# Altium PCB ipg_wearable.PcbDoc (part 1 of 2) (continued)
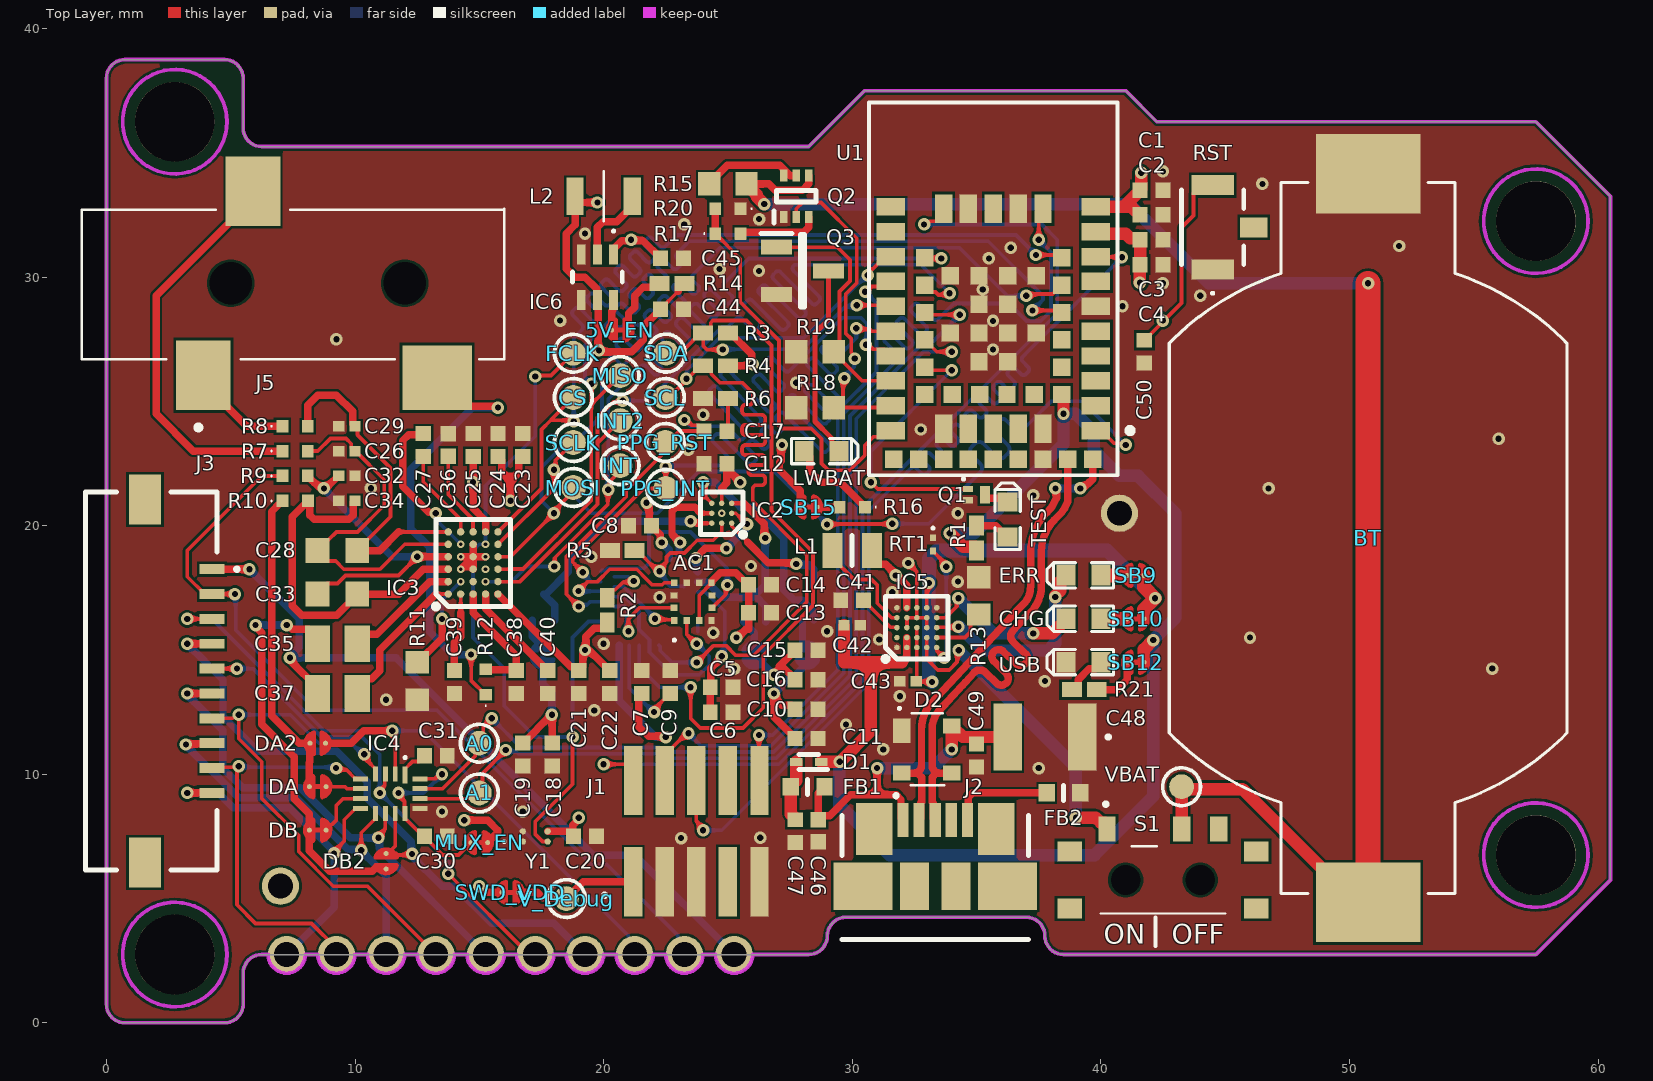
[diagram p0: Top Layer view]
## Footprints (in the part's own frame and the unit in brackets; to place one, negate y for a bottom-side part, rotate by r counter-clockwise, add the part's x,y. Pads: shape width x height; smd on the part's side, far side on the other; paste and mask are expansions set on the pad)
47346-0001 [mm]
  rect 0.45x1.38 smd: 1(1.3,-4.81) 2(0.65,-4.81) 3(0,-4.81) 4(-0.65,-4.81) 5(-1.3,-4.81)
  rect 1.475x2.1 smd: 6(-2.452,-4.45) 7(2.452,-4.45)
  rect 1.175x1.9 smd: 8(0.837,-2.15) 9(-0.837,-2.15)
  rect 2.375x1.9 smd: 10(2.913,-2.15) 11(-2.913,-2.15)
  silkscreen extent -3.75,-5.84 3.75,0, body extent -3.99,-5.38 3.99,0.05, height 2.7
2005280100 [mm]
  rect 0.4x1 smd: 1(-4.5,2.45) 2(-3.5,2.45) 3(-2.5,2.45) 4(-1.5,2.45) 5(-0.5,2.45) 6(0.5,2.45) 7(1.5,2.45) 8(2.5,2.45) 9(3.5,2.45) 10(4.5,2.45)
  rect 2x1.3 smd: MP1(-7.3,-0.25) MP2(7.3,-0.25)
  silkscreen extent -7.6,-2.65 7.6,3.5, body extent -8,-2.5 8,2.8, height 1.9
450404015514 [mm]
  rect 0.7x1 smd: 1(2.25,-2.05) 2(-0.75,-2.05) 3(-2.25,-2.05)
  round 0.6 hole 1.2 unplated: MH1(1.5,0) MH2(-1.5,0)
  rect 1x0.8 smd: MP1(3.75,-1.15) MP2(-3.75,-1.15) MP3(-3.75,1.15) MP4(3.75,1.15)
  silkscreen extent -2.5,-3.1 2.5,1.35, body extent -3.85,-2.25 3.85,2.88, height 1.4
BAT_BU2032SM-G [mm]
  rect 3.2x4.2 smd: NEG(14.65,0) POS(-14.65,0)
  silkscreen extent -14.3,-8 14.3,8, body extent -15.8,-8 15.8,8, height 5.2
BGA9C40P3X3_124X124X69 [mm]
  round 0.216 smd: A1(-0.4,0.4) A2(0,0.4) A3(0.4,0.4) B1(-0.4,0) B2(0,0) B3(0.4,0) C1(-0.4,-0.4) C2(0,-0.4) C3(0.4,-0.4)
  silkscreen extent -0.96,-0.86 0.86,0.96, body extent -0.62,-0.62 0.62,0.62, height 0.69
BGA25C40P5X5_208X208X52 [mm]
  round 0.221 smd: A1(-0.8,0.8) A2(-0.4,0.8) A3(0,0.8) A4(0.4,0.8) A5(0.8,0.8) B1(-0.8,0.4) B2(-0.4,0.4) B3(0,0.4) B4(0.4,0.4) B5(0.8,0.4) C1(-0.8,0) C2(-0.4,0) C3(0,0) C4(0.4,0) C5(0.8,0) D1(-0.8,-0.4) D2(-0.4,-0.4) D3(0,-0.4) D4(0.4,-0.4) D5(0.8,-0.4) E1(-0.8,-0.8) E2(-0.4,-0.8) E3(0,-0.8) E4(0.4,-0.8) E5(0.8,-0.8)
  silkscreen extent -1.36,-1.26 1.26,1.36, body extent -1.04,-1.04 1.04,1.04, height 0.52
BGA30C50P6X5_293X274X69 [mm]
  round 0.298 smd: A1(-1.25,1) A2(-0.75,1) A3(-0.25,1) A4(0.25,1) A5(0.75,1) A6(1.25,1) B1(-1.25,0.5) B2(-0.75,0.5) B3(-0.25,0.5) B4(0.25,0.5) B5(0.75,0.5) B6(1.25,0.5) C1(-1.25,0) C2(-0.75,0) C3(-0.25,0) C4(0.25,0) C5(0.75,0) C6(1.25,0) D1(-1.25,-0.5) D2(-0.75,-0.5) D3(-0.25,-0.5) D4(0.25,-0.5) D5(0.75,-0.5) D6(1.25,-0.5) E1(-1.25,-1) E2(-0.75,-1) E3(-0.25,-1) E4(0.25,-1) E5(0.75,-1) E6(1.25,-1)
  silkscreen extent -1.85,-1.5 1.75,1.6, body extent -1.46,-1.37 1.46,1.37, height 0.69
BLM18EG101TH1D [mm]
  rect 0.65x0.7 smd: 1(-0.675,0) 2(0.675,0)
  silkscreen extent 0,-0.3 0,0.3, body extent -0.8,-0.4 0.8,0.4, height 0.5
C0402 [mm]
  rect 0.62x0.62 smd: 1(-0.45,0) 2(0.45,0)
  body extent -0.52,-0.28 0.53,0.27, height 0.55
C0603 [mm]
  rect 0.95x1 smd: 1(-0.8,0) 2(0.8,0)
  body extent -0.87,-0.48 0.88,0.47, height 0.87
C1210 [mm]
  rect 1.15x2.7 smd: 1(-1.5,0) 2(1.5,0)
  silkscreen extent -2.6,-0.05 -2.5,0.05, body extent -1.7,-1.35 1.7,1.35, height 1.4
CAPC0603X33N [mm]
  rect 0.46x0.42 smd: 1(-0.33,0) 2(0.33,0)
  body extent -0.3,-0.15 0.3,0.15, height 0.33
CAPC1005X55N [mm]
  rect 0.6x0.62 smd: 1(-0.46,0) 2(0.46,0)
  body extent -0.5,-0.25 0.5,0.25, height 0.55
CAPC2012X140N [mm]
  rect 1.02x1.47 smd: 1(-0.8,0) 2(0.8,0)
  body extent -1.1,-0.73 1.1,0.72, height 1.4
CTDBLP31126C5D56J6U620R18 [mm]
  rect 0.35x0.55 smd: 1(-0.75,0.445) 2(-0.75,-0.445)
  rect 1.25x1.45 smd: 3(0.3,0)
  silkscreen extent -1.65,-0.9 0.81,0.9, body extent -1.1,-0.9 1.1,0.9, height 0.6
DFE201210S1R0MP2 [mm]
  rect 0.8x1.4 smd: 1(-0.8,0) 2(0.8,0)
  silkscreen extent 0,-0.6 0,0.6, body extent -1,-0.6 1,0.6, height 1
DFN65P100X40-3L [mm]
  rect 0.4x0.25 smd mask+0.05: 1(-0.35,0.225) 2(-0.35,-0.225)
  rect 0.4x0.7 smd mask+0.065: 3(0.35,0)
  silkscreen extent -0.57,0.58 -0.48,0.67, body extent -0.53,-0.32 0.53,0.32, height 0.4
ERJ2RKD1004X [mm]
  rect 0.475x0.5 smd: 1(-0.512,0) 2(0.512,0)
  silkscreen extent -0.97,-0.03 -0.93,0.03, body extent -0.5,-0.25 0.5,0.25, height 0.35
ERTJZEG103FA [mm]
  rect 0.275x0.25 smd: 1(-0.263,0) 2(0.263,0)
  silkscreen extent -0.7,-0.05 -0.6,0.05, body extent -0.3,-0.15 0.3,0.15, height 0.33
FTSH10501LDVK [mm]
  rect 0.74x2.79 smd: 1(-2.54,0) 2(-2.54,4.07) 3(-1.27,0) 4(-1.27,4.07) 5(0,0) 6(0,4.07) 7(1.27,0) 8(1.27,4.07) 9(2.54,0) 10(2.54,4.07)
  silkscreen extent -3.74,-0.6 -3.64,-0.5, body extent -3.17,-0.92 3.17,4.93, height 6.13
KX1221037 [mm]
  rect 0.275x0.25 smd: 1(-0.763,0.75) 2(-0.763,0.25) 3(-0.763,-0.25) 4(-0.763,-0.75) 7(0.763,-0.75) 8(0.763,-0.25) 9(0.763,0.25) 10(0.763,0.75)
  rect 0.25x0.275 smd: 5(-0.25,-0.763) 6(0.25,-0.763) 11(0.25,0.763) 12(-0.25,0.763)
  silkscreen extent -1.6,0.7 -1.5,0.8, body extent -1,-1 1,1, height 1.1
LED_0603_G [mil]
  rect 30x32 smd: 1(-27.5,0) 2(27.5,0)
  silkscreen extent -58,-20 48,20, body extent -32,-16 32,16, height 24
LEDC1608X80N [mil]
  rect 30x32 smd: 1(-27.5,0) 2(27.5,0)
  silkscreen extent -58,-20 48,20, body extent -31,-16 31,16, height 25
LQM2HPZ3R3MJ0B [mm]
  rect 0.7x1.5 smd: 1(-1.15,0) 2(1.15,0)
  silkscreen extent 0,-1 0,1, body extent -1.38,-1.12 1.38,1.12, height 1.11
MAX17224ELTT [mm]
  rect 0.8x0.35 smd: 1(-0.915,0.65) 2(-0.915,0) 3(-0.915,-0.65) 4(0.915,-0.65) 5(0.915,0) 6(0.915,0.65)
  silkscreen extent -1.9,-1 0.2,1, body extent -1,-1 1,1, height 0.9
MAXM86146CFU [mm]
  rect 0.35x0.25 smd: 1(-1.75,1.2) 2(-1.75,0.8) 3(-1.75,0.4) 4(-1.75,-0.4) 5(-1.75,-0.8) 6(-1.75,-1.2) 14(1.75,-1.2) 15(1.75,-0.8) 16(1.75,-0.4) 17(1.75,0.4) 18(1.75,0.8) 19(1.75,1.2)
  rect 0.25x0.35 smd: 7(-1.2,-1.95) 8(-0.8,-1.95) 9(-0.4,-1.95) 10(0,-1.95) 11(0.4,-1.95) 12(0.8,-1.95) 13(1.2,-1.95) 20(1.2,1.95) 21(0.8,1.95) 22(0.4,1.95) 23(0,1.95) 24(-0.4,1.95) 25(-0.8,1.95) 26(-1.2,1.95) 27(1,1.395) 28(0.6,1.395) 29(0.2,1.395) 30(-0.2,1.395) 31(-0.6,1.395) 32(-1,1.395) 33(-1,-1.395) 34(-0.6,-1.395) 35(-0.2,-1.395) 36(0.2,-1.395) 37(0.6,-1.395) 38(1,-1.395)
  silkscreen extent -3,1.15 -2.9,1.25, body extent -2.05,-2.25 2.05,2.25, height 1.07
NINA_LGA67R_1500X1000X338_PIFA [mm] "Stand-alone Bluetooth low energy module"
  rect 0.7x1.15 smd paste+0 mask+0.05: 1(-5.7,-4.125) 2(-4.7,-4.125) 3(-3.7,-4.125) 4(-2.7,-4.125) 5(-1.7,-4.125) 6(-0.7,-4.125) 7(0.3,-4.125) 8(1.3,-4.125) 9(2.3,-4.125) 10(3.3,-4.125) 16(3.3,4.125) 17(2.3,4.125) 18(1.3,4.125) 19(0.3,4.125) 20(-0.7,4.125) 21(-1.7,4.125) 22(-2.7,4.125) 23(-3.7,4.125) 24(-4.7,4.125) 25(-5.7,4.125)
  rect 1.15x0.7 smd paste+0 mask+0.05: 11(3.225,-2) 12(3.225,-1) 13(3.225,0) 14(3.225,1) 15(3.225,2) 26(-5.625,2) 27(-5.625,1) 28(-5.625,0) 29(-5.625,-1) 30(-5.625,-2)
  rect 0.7x0.7 smd paste+0 mask+0.05: 31(-4.25,-2.75) 32(-3.15,-2.75) 33(-2.05,-2.75) 34(-0.95,-2.75) 35(0.15,-2.75) 36(1.25,-2.75) 37(1.25,2.75) 38(0.15,2.75) 39(-0.95,2.75) 40(-2.05,2.75) 41(-3.15,2.75) 42(-4.25,2.75) 43(-4.25,1.65) 44(-4.25,0.55) 45(-4.25,-0.55) 46(-4.25,-1.65) 47(-6.85,4) 48(-6.85,3) 49(-6.85,2) 50(-6.85,1) 51(-6.85,0) 52(-6.85,-1) 53(-6.85,-2) 54(-6.85,-3) 55(-6.85,-4) 56(-2.925,-0.575) 57(-2.925,0.575) 58(-1.775,-1.725) 59(-1.775,-0.575) 60(-1.775,0.575) 61(-1.775,1.725) 62(-0.625,-0.575) 63(-0.625,0.575) 64(0.525,-1.725) 65(0.525,-0.575) 66(0.525,0.575) 67(0.525,1.725)
  silkscreen extent -7.5,-5.6 7.5,5, body extent -7.5,-5 7.5,5, height 3.91
PRTR5V0U2X [mm]
  rect 1x0.7 smd: 1(-0.75,-1)
  rect 0.6x0.7 smd: 2(0.95,-1) 3(0.95,1) 4(-0.95,1)
  silkscreen extent -1.7,-1.15 1.45,0.7, body extent -1.47,-1.2 1.43,1.2, height 0.95
RESC1005X40N [mm]
  rect 0.8x0.6 smd: 1(-0.5,0) 2(0.5,0)
  body extent -0.5,-0.25 0.5,0.25, height 0.3
RESC1608X55N [mm]
  rect 0.9x0.95 smd: 1(-0.75,0) 2(0.75,0)
  body extent -0.77,-0.4 0.77,0.4, height 0.55
SFH7015 [mm]
  rect 0.5x0.25 smd: 1(0.675,-0.225) 2(0.675,0.225) 3(-0.675,-0.225) 4(-0.675,0.225)
  silkscreen extent 0.8,-0.75 0.9,-0.65, body extent -1,-0.4 1,0.4, height 0.8
SiT1532ACJ5DCC32768E [mm]
  round 0.25 smd: 1(-0.205,0.5) 2(-0.205,-0.5) 3(0.205,-0.5) 4(0.205,0.5)
  silkscreen extent -0.25,1.2 -0.16,1.3, body extent -0.42,-0.77 0.42,0.77, height 0.7
SJ3523SMTTR [mm]
  rect 2.2x2.8 smd: 1(2.4,-3.7) 3(4.4,3.7)
  rect 2.8x2.6 smd: 2(11.8,-3.8)
  round 0.85 hole 1.7 unplated: MH1(3.5,0) MH2(10.5,0)
  silkscreen extent -2.5,-5.9 14.5,3, body extent -2.35,-4.5 16.65,4.5, height 5.2
SODFL1006X40N [mm]
  rect 0.51x0.32 smd: 1(-0.5,0) 2(0.5,0)
  silkscreen extent -0.75,-0.3 0.4,0.3, body extent -0.5,-0.3 0.5,0.3, height 0.4
Solderbridge#1 [mm]
  round 0.2 smd paste-10: 1(-0.312,0) 2(0.312,0)
  Top Layer region: 0.077,0.432 0.152,0.505 0.271,0.467 0.335,0.424 0.409,0.351 0.462,0.292 0.521,0.193 0.549,0.099 0.544,-0.122 0.518,-0.193 0.434,-0.33 0.351,-0.411 0.259,-0.469 0.157,-0.5 0.107,-0.483 0.077,-0.43
  Top Layer region: -0.077,-0.432 -0.152,-0.505 -0.271,-0.467 -0.335,-0.424 -0.409,-0.351 -0.462,-0.292 -0.521,-0.193 -0.549,-0.099 -0.544,0.122 -0.518,0.193 -0.434,0.33 -0.351,0.411 -0.259,0.469 -0.157,0.5 -0.107,0.483 -0.077,0.43
  Top Layer lines w0.152: 0.153,0.431 cw(c0.042,0) 0.312,0.353 cw(c0.042,0) 0.461,0.149 cw(c0.042,0) 0.487,0 cw(c0.042,0) 0.461,-0.149 cw(c0.042,0) 0.153,-0.431 ; -0.153,0.431 ccw(c-0.042,0) -0.487,0 ccw(c-0.042,0) -0.461,-0.149 ccw(c-0.042,0) -0.269,-0.382 ccw(c-0.042,0) -0.153,-0.431
Solderbridge#2 [mm]
  round 0.2 smd paste-10: 1(-0.312,0) 2(0.312,0)
  Top Layer region: -0.077,-0.432 -0.152,-0.505 -0.271,-0.467 -0.335,-0.424 -0.409,-0.351 -0.462,-0.292 -0.521,-0.193 -0.549,-0.099 -0.544,0.122 -0.518,0.193 -0.434,0.33 -0.351,0.411 -0.259,0.469 -0.157,0.5 -0.107,0.483 -0.077,0.43
  Top Layer region: 0.077,0.432 0.152,0.505 0.271,0.467 0.335,0.424 0.409,0.351 0.462,0.292 0.521,0.193 0.549,0.099 0.544,-0.122 0.518,-0.193 0.434,-0.33 0.351,-0.411 0.259,-0.469 0.157,-0.5 0.107,-0.483 0.077,-0.43
  Top Layer lines w0.152: -0.153,0.431 ccw(c-0.042,0) -0.454,0.167 ccw(c-0.042,0) -0.153,-0.431 ; 0.153,0.431 cw(c0.042,0) 0.461,-0.149 cw(c0.042,0) 0.443,-0.193 cw(c0.042,0) 0.312,-0.353 cw(c0.042,0) 0.153,-0.431
Solderbridge_Shorted [mm]
  round 0.2 smd paste-10: 1(-0.338,0) 2(0.338,0)
  Top Layer region: -0.102,-0.432 -0.178,-0.505 -0.296,-0.467 -0.361,-0.424 -0.434,-0.351 -0.488,-0.292 -0.546,-0.193 -0.574,-0.099 -0.569,0.122 -0.544,0.193 -0.46,0.33 -0.376,0.411 -0.284,0.469 -0.183,0.5 -0.132,0.483 -0.102,0.43
  Top Layer region: 0.102,0.432 0.178,0.505 0.296,0.467 0.361,0.424 0.434,0.351 0.488,0.292 0.546,0.193 0.574,0.099 0.569,-0.122 0.544,-0.193 0.46,-0.33 0.376,-0.411 0.284,-0.469 0.183,-0.5 0.132,-0.483 0.102,-0.43
  Top Layer lines w0.152: -0.178,-0.431 cw(c-0.068,0) -0.178,0.431 ; 0.178,-0.431 ccw(c0.068,0) 0.178,0.431
  Top Layer lines w0.203: -0.338,0 0.338,0
SOT96P237X111-3N [mm]
  rect 1.25x0.6 smd: 1(-1.05,0.955) 2(-1.05,-0.955) 3(1.05,0)
  silkscreen extent -1.68,-1.46 0.08,1.51, body extent -1.18,-1.46 1.18,1.46, height 1.11
SOTFL50P162X60-6N [mm]
  rect 0.492x0.3 smd: 1(-0.834,0.5) 2(-0.834,0) 3(-0.834,-0.5) 4(0.834,-0.5) 5(0.834,0) 6(0.834,0.5)
  silkscreen extent -1.08,-0.8 0.24,0.9, body extent -0.81,-0.8 0.81,0.8, height 0.6
TL1017AABF160QG [mm]
  rect 0.8x1.7 smd: 1(-1.7,0) 2(1.7,0)
  rect 0.8x1.1 smd: G1(0,-1.65)
  silkscreen extent -2.7,-1.25 1.5,1.25, body extent -2,-1.95 2,1.2, height 1.5
TMUX1109RSVR [mm]
  rect 0.7x0.2 smd: 1(-0.75,0.6)
  rect 0.6x0.2 smd: 2(-0.8,0.2) 3(-0.8,-0.2) 4(-0.8,-0.6) 9(0.8,-0.6) 10(0.8,-0.2) 11(0.8,0.2) 12(0.8,0.6)
  rect 0.2x0.6 smd: 5(-0.6,-1.2) 6(-0.2,-1.2) 7(0.2,-1.2) 8(0.6,-1.2) 13(0.6,1.2) 14(0.2,1.2) 15(-0.2,1.2) 16(-0.6,1.2)
  silkscreen extent -1.5,0.55 -1.4,0.65, body extent -0.9,-1.3 0.9,1.3, height 0.65
TP_SMD_D1.0mm [mm]
  round 1 smd paste-5: 1(0,0)
  silkscreen extent -0.76,-0.76 0.76,0.76

## Part data
5V_EN DA DB GR1 GR2 MUX_EN RED/IR SB9 SB10 SB12 SB15 SWD_VDD: library part "Solderbridge Shorted", "Shorted Solderbridge", Manufacturer=N.A., Artikkelnr Noca=N.A., Author=rsk, Component Class=Connectors, ComponentLink1Description=Datasheet, ComponentLink1URL=N.A., ComponentLink2Description="Supplier link", ComponentLink2URL=N.A., Footprint Doc=Solderbridge_Shorted, HelpURL=N.A., LatestRevisionDate=2012-08-07, Manufacturer Part Number=N.A., Note=N.A., Pad Count=2, Part Number="Solderbridge Shorted", Part number IPS=N.A., Part number Norautron=N.A., PartId=100500459, Pin Count=2, Published=2012-08-07, Publisher="Nordic Semiconductor", Supplier 1=N.A., Supplier 2=N.A., Supplier Part Number 1=N.A., Supplier Part Number 2=N.A.
A0 A1 CS FCLK INT INT2 MISO MOSI PPG_INT PPG_RST SCL SCLK SDA V_Debug VBAT: library part TP_SMD_Ø1.0MM, "1.0mm circular SMD testpad", Manufacturer="Nordic Semiconductor", Manufacturer Part Number=N.A., Artikkelnr Noca=N.A., Author=rsk, Component Class=Connectors, ComponentLink1Description=Datasheet, ComponentLink1URL=N.A., ComponentLink2Description="Supplier link", ComponentLink2URL=N.A., Footprint Doc=TP_SMD_Ø1.0mm, HelpURL=N.A., LatestRevisionDate=2021-03-05, Note=N.A., Pad Count=1, Part Number=TP_SMD_Ø1.0MM, Part number IPS=N.A., Part number Norautron=N.A., PartId=100500475, Pin Count=1, Published=2013-06-11, Publisher="Nordic Semiconductor", Supplier 1=N.A., Supplier 2=N.A., Supplier Part Number 1=N.A., Supplier Part Number 2=N.A.
AC1: "Accelerometer", Manufacturer_Name=Kionix, Mouser Part Number=912-KX122-1037, Datasheet Link=https://kionixfs.azureedge.net/en/document/TN008-PCB-Design-Guidelines-for-2x2-LGA-Sensors.pdf, Height=1mm, Manufacturer_Part_Number=KX122-1037, Mouser Price/Stock=https://www.mouser.co.uk/ProductDetail/Kionix/KX122-1037?qs=6OIXIgk3fwdhApAbA9esZQ%3D%3D
BT: "BATTERY HOLDER COIN 20MM SMD", Package=None, Availability=Unavailable, MF=MPD, MP=BU2032SM-G, Price=None, SnapEDA_Link=https://www.snapeda.com/parts/BU2032SM-G/Memory%20Protection%20Devices/view-part/4219599/?ref=snap
C1 C3 C5 C12 C17 C20 C22 C23 C24 C30 C31 C39 C50: library part GRM155R71C104KA88D, "Capacitor", Manufacturer_Name="Murata Electronics", Mouser Part Number=N/A, Arrow Part Number=GRM155R71C104KA88D, Arrow Price/Stock=https://www.arrow.com/en/products/grm155r71c104ka88d/murata-manufacturing?region=nac, Datasheet Link=http://www.murata.com/~/media/webrenewal/support/library/catalog/products/capacitor/mlcc/c02e.pdf, Height=0.55mm, Manufacturer_Part_Number=GRM155R71C104KA88D
C2 C4 C6 C21 C25 C38 C40 C41 C44 C45: library part GRM155R60J106ME05D, "Capacitor 10uF X5R Ceramic", Manufacturer_Name="Murata Electronics", Mouser Part Number=81-GRM155R60J106M05D, Arrow Part Number=GRM155R60J106ME05D, Arrow Price/Stock=https://www.arrow.com/en/products/grm155r60j106me05d/murata-manufacturing?region=nac, Datasheet Link=http://www.murata.com/~/media/webrenewal/support/library/catalog/products/capacitor/mlcc/c02e.pdf, Height=0.55mm, Manufacturer_Part_Number=GRM155R60J106ME05D, Mouser Price/Stock=https://www.mouser.co.uk/ProductDetail/Murata-Electronics/GRM155R60J106ME05D?qs=d0WKAl%252BL4KYEzZPQ8Lkwdw%3D%3D
C7 C9 C27: library part CL05B104KP5NNNC, "Capacitor", Manufacturer_Name=SAMSUNG, Mouser Part Number=187-CL05B104KP5NNNC, Arrow Part Number=CL05B104KP5NNNC, Arrow Price/Stock=https://www.arrow.com/en/products/cl05b104kp5nnnc/samsung-electro-mechanics?region=nac, Datasheet Link=http://product.samsungsem.com/mlcc/CL05B104KP5NNN.do, Height=0.55mm, Manufacturer_Part_Number=CL05B104KP5NNNC, Mouser Price/Stock=https://www.mouser.co.uk/ProductDetail/Samsung-Electro-Mechanics/CL05B104KP5NNNC?qs=349EhDEZ59qDkVTTBSSSxw%3D%3D
C8 C10 C11 C15 C16 C18 C19: library part CL05B224KO5NNNC, "Capacitor", Manufacturer_Name=SAMSUNG, Mouser Part Number=187-CL05B224KO5NNNC, Arrow Part Number=CL05B224KO5NNNC, Arrow Price/Stock=https://www.arrow.com/en/products/cl05b224ko5nnnc/samsung-electro-mechanics, Datasheet Link=https://media.digikey.com/pdf/Data%20Sheets/Samsung%20PDFs/CL05B224KO5NNNC_Spec.pdf, Height=0.55mm, Manufacturer_Part_Number=CL05B224KO5NNNC, Mouser Price/Stock=https://www.mouser.co.uk/ProductDetail/Samsung-Electro-Mechanics/CL05B224KO5NNNC?qs=X6jEic%2FHinCN6V6mK7LtLg%3D%3D
C13 C14 C47 C49: library part CL05B104KP5VPNC, "Capacitor", Manufacturer_Name=SAMSUNG, Mouser Part Number=187-CL05B104KP5VPNC, Datasheet Link=https://product.samsungsem.com/mlcc/CL05B104KP5VPN.do, Height=0.55mm, Manufacturer_Part_Number=CL05B104KP5VPNC, Mouser Price/Stock=https://www.mouser.co.uk/ProductDetail/Samsung-Electro-Mechanics/CL05B104KP5VPNC?qs=gqBM4hNBiUXTv%252BkFO9q2pQ%3D%3D
C26 C29 C32 C34: library part GRM0335C1E100JA01D, "Capacitor", Manufacturer_Name="Murata Electronics", Mouser Part Number=81-GRM0335C1E100JA1D, Arrow Part Number=GRM0335C1E100JA01D, Arrow Price/Stock=https://www.arrow.com/en/products/grm0335c1e100ja01d/murata-manufacturing?region=nac, Datasheet Link=http://www.murata.com/~/media/webrenewal/support/library/catalog/products/capacitor/mlcc/c02e.pdf, Height=0.33mm, Manufacturer_Part_Number=GRM0335C1E100JA01D, Mouser Price/Stock=https://www.mouser.co.uk/ProductDetail/Murata-Electronics/GRM0335C1E100JA01D?qs=3ZwS9AhGA%2F61ULaWXbLsuw%3D%3D
C28 C33: library part C0603C202G4HACAUTO, "Capacitor", Manufacturer_Name=KEMET, Datasheet Link=https://content.kemet.com/datasheets/KEM_C1007_X8R_ULTRA_150C_SMD.pdf, Height=0.87mm, Manufacturer_Part_Number=C0603C202G4HACAUTO
C35 C37: library part C0805C473K1RECAUTO7210, "Capacitor", Manufacturer_Name=KEMET, Mouser Part Number=80-C0805C473K1REAULR, Datasheet Link=https://connect.kemet.com:7667/gateway/IntelliData-ComponentDocumentation/1.0/download/specsheet/C0805C473K1RECAUTO7210, Height=1.4mm, Manufacturer_Part_Number=C0805C473K1RECAUTO7210, Mouser Price/Stock=https://www.mouser.com/Search/Refine.aspx?Keyword=80-C0805C473K1REAULR
C36 C46: library part C0402C102J1GEC7411, "Capacitor", Manufacturer_Name=KEMET, Mouser Part Number=80-C0402C102J1GECLR, Datasheet Link=https://content.kemet.com/datasheets/KEM_C1091_C0G_ESD.pdf, Height=0.55mm, Manufacturer_Part_Number=C0402C102J1GEC7411, Mouser Price/Stock=https://www.mouser.co.uk/ProductDetail/KEMET/C0402C102J1GEC7411?qs=55YtniHzbhDbMp4X17Pi5A%3D%3D
C42 C43: library part GRM033R60J225ME47D, "Capacitor", Manufacturer_Name="Murata Electronics", Mouser Part Number=81-GRM033R60J225ME7D, Arrow Part Number=GRM033R60J225ME47D, Arrow Price/Stock=https://www.arrow.com/en/products/grm033r60j225me47d/murata-manufacturing, Datasheet Link=http://www.murata.com/~/media/webrenewal/support/library/catalog/products/capacitor/mlcc/c02e.pdf, Height=0.33mm, Manufacturer_Part_Number=GRM033R60J225ME47D, Mouser Price/Stock=https://www.mouser.co.uk/ProductDetail/Murata-Electronics/GRM033R60J225ME47D?qs=kRS0rR9cfpW%252Btpdb3iqxoA%3D%3D
C48: library part C1210C106Z4VACTU, "Capacitor", Manufacturer_Name=KEMET, Mouser Part Number=80-C1210C106Z4V, Datasheet Link=https://content.kemet.com/datasheets/KEM_C1005_Y5V_SMD.pdf, Manufacturer_Part_Number=C1210C106Z4VACTU, Mouser Price/Stock=https://www.mouser.co.uk/ProductDetail/KEMET/C1210C106Z4VACTU?qs=mv3KgORg%2FP46M9Lyxvcz2A%3D%3D
CHG TEST USB: library part "VS 25C7M5", "LED, Green, 0603, 573nm, Vf=2.0V, 24mcd, - 40 to +85°C", Manufacturer="Victory Electronics", Part number IPS="00000001274, 00000009961", Part number Norautron=N.A., Artikkelnr Noca=13019193, Author=rsk, Component Class=Optoelectronics, ComponentLink1Description=Datasheet, ComponentLink1URL=N.A., ComponentLink2Description="Supplier link", ComponentLink2URL=N.A., Footprint Doc=0603, HelpURL="\\hizz\pro\app9717\Datasheet\optoelectronics\Victory Electronics\VS 25C7M5.pdf", LatestRevisionDate=2020-10-23, Manufacturer Part Number="VS 25C7M5", Note=N.A., Pad Count=2, Part Number="VS 25C7M5", PartId=101400097, Published=2017-08-21, Supplier 1="EC Partner", Supplier 2=N.A., Supplier Part Number 1=N.A., Supplier Part Number 2=N.A.
D1: "Schottky Diode", Manufacturer_Name=onsemi, Mouser Part Number=863-NSR0620P2T5G, Arrow Part Number=NSR0620P2T5G, Arrow Price/Stock=https://www.arrow.com/en/products/nsr0620p2t5g/on-semiconductor?region=nac, Datasheet Link=https://www.onsemi.com/pub/Collateral/NSR0620P2-D.PDF, Height=0.4mm, Manufacturer_Part_Number=NSR0620P2T5G, Mouser Price/Stock=https://www.mouser.co.uk/ProductDetail/onsemi/NSR0620P2T5G?qs=tauDy9ytPRuGG8VMIU8l1w%3D%3D
D2: "Clamp Ipp Tvs Diode Surface Mount SOT-143B", Manufacturer_Name=Nexperia, Mouser Part Number=N/A, Datasheet Link=https://assets.nexperia.com/documents/data-sheet/PRTR5V0U2X.pdf, Height=1.1mm, Manufacturer_Part_Number=PRTR5V0U2X, Mouser Price/Stock=https://www.mouser.co.uk/ProductDetail/Nexperia/PRTR5V0U2X?qs=vHuUswq2%252BsxqVTVM0kNyWw%3D%3D
DA2 DB2: Manufacturer=N.A., Artikkelnr Noca=N.A., Author=rsk, Component Class=Connectors, ComponentLink1Description=Datasheet, ComponentLink1URL=N.A., ComponentLink2Description="Supplier link", ComponentLink2URL=N.A., Footprint Doc=Solderbridge, HelpURL=N.A., LatestRevisionDate=2009-12-14, Manufacturer Part Number=N.A., Note=N.A., Pad Count=2, Part Number=Solderbridge, Part number IPS=N.A., Part number Norautron=N.A., PartId=100500458, Pin Count=2, Published=2009-12-14, Publisher="Nordic Semiconductor", Supplier 1=N.A., Supplier 2=N.A., Supplier Part Number 1=N.A., Supplier Part Number 2=N.A.
ERR LWBAT: library part LS_Q976-NR-1, "LED", Arrow Part Number="LS Q976-NR-1", Manufacturer_Name="ams OSRAM", Mouser Part Number=720-LSQ976-NR-1, Arrow Price/Stock=https://www.arrow.com/en/products/lsq976-nr-1/osram-opto-semiconductors?region=europe, Datasheet Link=https://datasheet.datasheetarchive.com/originals/distributors/DKDS41/DSANUWW0036602.pdf, Height=0.8mm, Manufacturer_Part_Number="LS Q976-NR-1", Mouser Price/Stock=https://www.mouser.co.uk/ProductDetail/ams-OSRAM/LS-Q976-NR-1?qs=K5ta8V%252BWhtbwdFgXKu1Oiw%3D%3D
FB1 FB2: "Ferrite Bead", Manufacturer_Name="Murata Electronics", Mouser Part Number=81-BLM18EG101TZ1D, Datasheet Link=http://www.murata.com/~/media/webrenewal/support/library/catalog/products/emc/emifil/c31e.ashx?la=en-gb, Height=0.75mm, Manufacturer_Part_Number=BLM18EG101TZ1D, Mouser Price/Stock=https://www.mouser.co.uk/ProductDetail/Murata-Electronics/BLM18EG101TZ1D?qs=lEfY3O89Aql3C2AEBXMxiA%3D%3D
GREEN1 GREEN2: library part CT_DBLP31.12-6C5D-56-J6U6-20-R18, "LED", Manufacturer_Name="ams OSRAM", Manufacturer_Part_Number="CT DBLP31.12-6C5D-56-J6U6-20-R18", Mouser Part Number=720-CTDBLP31A6091, Datasheet Link=https://www.mouser.com/catalog/specsheets/Osram-03-25-2019-CT%20DBLP31.12_EN.pdf, Mouser Price/Stock=https://www.mouser.co.uk/ProductDetail/OSRAM-Opto-Semiconductors/CT-DBLP3112-6C5D-56-J6U6-20-R18?qs=vLWxofP3U2xgbqKYEOstuw%3D%3D
IC1: "Integrated Circuit", Manufacturer_Name="Analog Devices", Mouser Part Number=700-MAXM86146CFU+, Datasheet Link=https://datasheets.maximintegrated.com/en/ds/MAXM86146.pdf, Height=0.975mm, Manufacturer_Part_Number=MAXM86146CFU+, Mouser Price/Stock=https://www.mouser.co.uk/ProductDetail/Analog-Devices-Maxim-Integrated/MAXM86146CFU%2b?qs=7MVldsJ5UaxGg5O5mFC%252Bgg%3D%3D
IC2: "Integrated Circuit", Manufacturer_Name="Analog Devices", Mouser Part Number=700-MAX14689EWL+T, Datasheet Link=https://datasheets.maximintegrated.com/en/ds/MAX14689.pdf, Height=0.69mm, Manufacturer_Part_Number=MAX14689EWL+T, Mouser Price/Stock=https://www.mouser.co.uk/ProductDetail/Maxim-Integrated/MAX14689EWL%2bT?qs=jKHy77vQLH2WsIix%2FYfctQ%3D%3D
IC3: "Integrated Circuit", Manufacturer_Name="Analog Devices", Mouser Part Number=700-MAX30001CWV+, Datasheet Link=https://datasheets.maximintegrated.com/en/ds/MAX30001.pdf, Height=0.69mm, Manufacturer_Part_Number=MAX30001CWV+, Mouser Price/Stock=https://www.mouser.co.uk/ProductDetail/Analog-Devices-Maxim-Integrated/MAX30001CWV%2b?qs=gt1LBUVyoHlQ9wjGIPyD2Q%3D%3D
IC4: "Integrated Circuit", Manufacturer_Name="Texas Components", Datasheet Link=https://www.ti.com/lit/ds/symlink/tmux1109.pdf?ts=1635353641443&ref_url=https%253A%252F%252Fwww.ti.com%252Fswitches-multiplexers%252Fanalog%252Fproducts.html, Height=0.55mm, Manufacturer_Part_Number=TMUX1109RSVR
IC5: "Integrated Circuit", Arrow Part Number=NPM1100-CAAA-E-R7, Manufacturer_Name="Nordic Semiconductor", Mouser Part Number=949-NPM1100-CAAA-R7, Arrow Price/Stock=https://www.arrow.com/en/products/npm1100-caaa-e-r7/nordic-semiconductor?region=nac, Datasheet Link=https://eu.mouser.com/datasheet/2/297/nPM1100_PS_v1_1-3074770.pdf, Height=0.522mm, Manufacturer_Part_Number=nPM1100-CAAA-E-R7, Mouser Price/Stock=https://www.mouser.co.uk/ProductDetail/Nordic-Semiconductor/nPM1100-CAAA-E-R7?qs=vvQtp7zwQdOU6PwQjneJOA%3D%3D
IC6: "Integrated Circuit", Manufacturer_Name="Analog Devices", Mouser Part Number=700-MAX17224ELT+T, Arrow Part Number=MAX17224ELT+T, Arrow Price/Stock=https://www.arrow.com/en/products/max17224eltt/maxim-integrated?region=nac, Datasheet Link=https://www.analog.com/MAX17224/datasheet, Height=0.8mm, Manufacturer_Part_Number=MAX17224ELT+T, Mouser Price/Stock=https://www.mouser.co.uk/ProductDetail/Maxim-Integrated/MAX17224ELT%2bT?qs=BZBei1rCqCCCW5323eMGwQ%3D%3D